# KiCad board noraneko52r.kicad_pcb (continued)
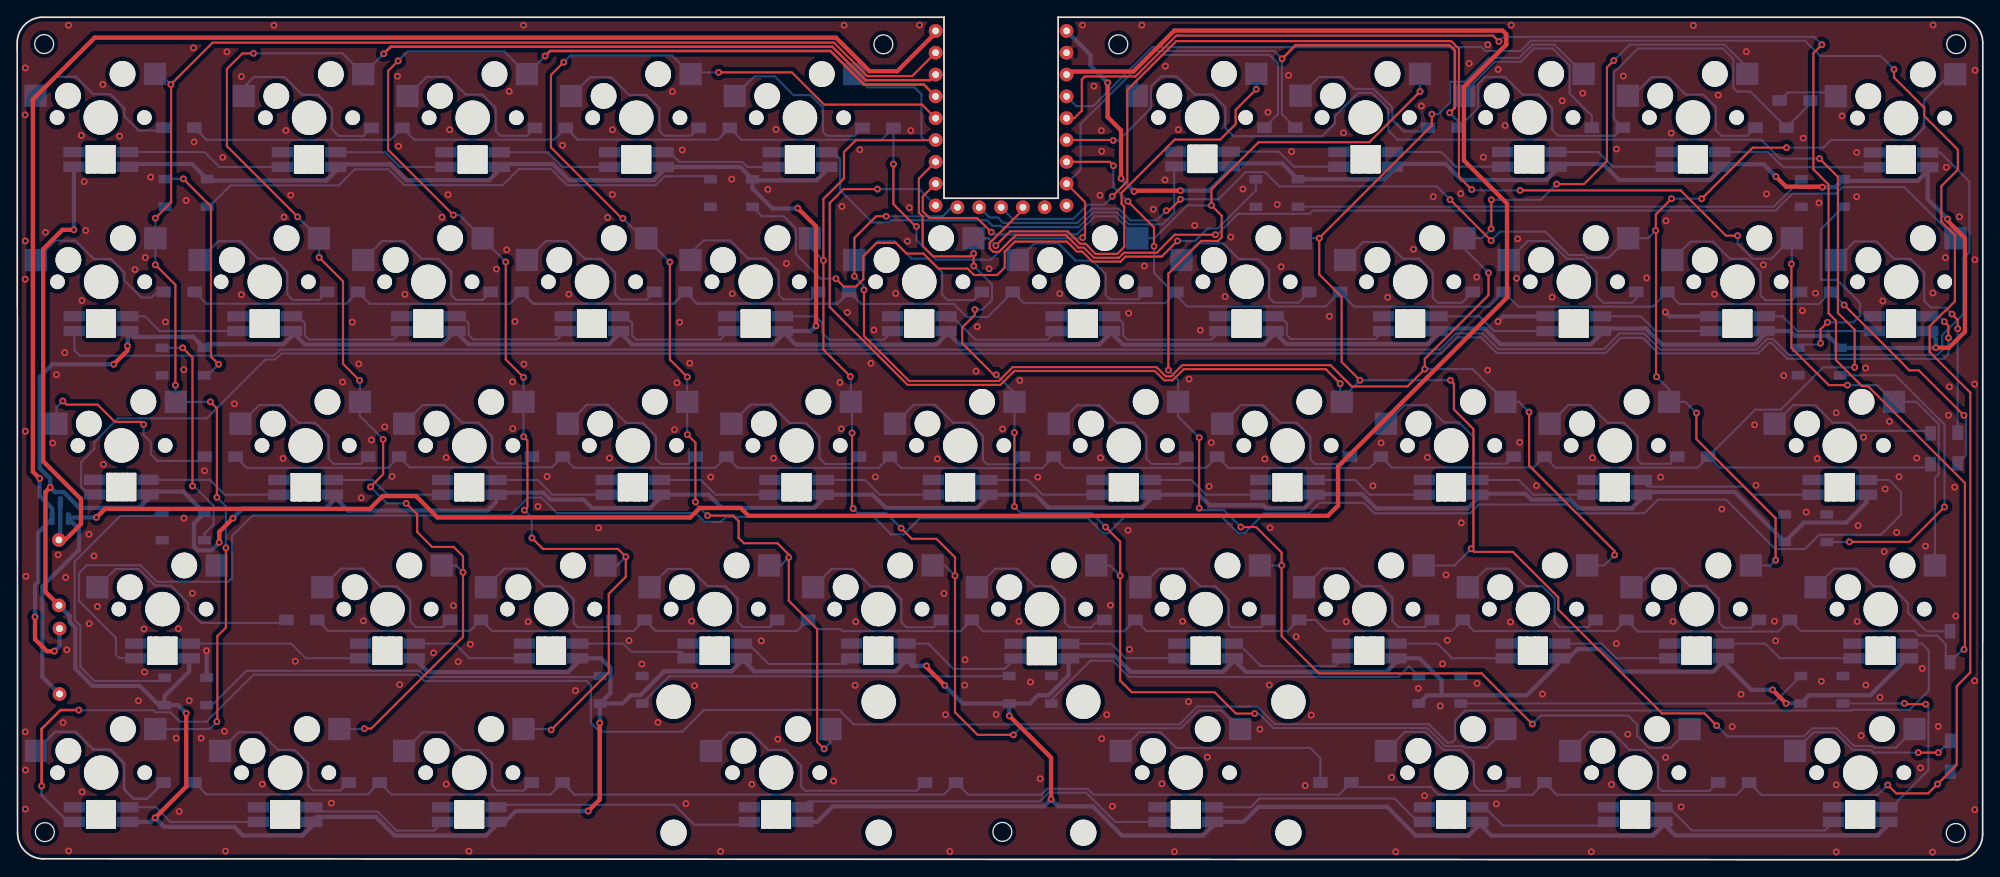
[diagram p0: board, top side]
## Routing (per net, layer and track width the routed paths; a pad name or vN(x,y) marks a point on that pad's centre or on a via; arc(x,y) is an arc through that point) (continued)
Net-(D46-Pad2): length 20.6
  Bottom w0.25: SW46.2 25.79,14.85 28.29,14.85 30.34,12.8 32.3,12.8 33.88,11.22 33.88,8.64 34.45,8.07 37.65,8.07 D46.2
Net-(D47-Pad2): length 20.5
  Bottom w0.25: SW47.2 47.23,14.86 49.67,14.86 51.75,12.78 53.74,12.78 55.3,11.22 55.3,8.61 55.86,8.05 58.94,8.05 D47.2
Net-(D48-Pad2): length 30.4
  Bottom w0.25: SW48.2 82.91,14.82 85.41,14.82 87.43,12.8 89.43,12.8 91.27,10.96 91.27,8.53 91.76,8.04 104.72,8.04 D48.2
Net-(D49-Pad2): length 28.2
  Bottom w0.25: D49.2 151.71,11.83 150.52,13.02 134.95,13.02 133.11,14.86 130.65,14.86 SW49.2
Net-(D50-Pad2): length 20.6
  Bottom w0.25: SW50.2 161.56,14.89 163.97,14.89 166.09,12.77 168.17,12.77 169.59,11.36 169.59,8.73 170.3,8.02 173.21,8.02 D50.2
Net-(D51-Pad2): length 23.1
  Bottom w0.25: SW51.2 182.99,14.89 185.62,14.89 187.71,12.8 189.48,12.8 191.02,11.26 191.02,8.45 191.45,8.02 197.03,8.02 D51.2
Net-(D52-Pad2): length 20.5
  Top w0.25: v1(221.32,12.48) v1(223.65,12.48)
  Bottom w0.25: v1(223.65,12.48) D52.2 ; v1(221.32,12.48) 221.31,12.48 216.11,12.48 215.79,12.8 213.66,12.8 211.61,14.85 209.15,14.85 SW52.2
Net-(LED1-Pad2): length 18.8
  Bottom w0.25: LED1.2 21.8,82.41 23.54,80.67 LED2.4
Net-(LED2-Pad2): length 13.5
  Bottom w0.25: LED3.4 44.57,80.67 42.86,82.38 LED2.2
Net-(LED3-Pad2): length 13.5
  Bottom w0.25: LED3.2 61.81,82.38 63.52,80.67 LED4.4
Net-(LED4-Pad2): length 13.6
  Bottom w0.25: LED5.4 88.02,80.66 84.99,80.66 84.41,81.24 77.1,81.24 75.97,82.38 LED4.2
Net-(LED5-Pad2): length 53.7
  Bottom w0.25: LED5.2 95.02,82.38 95.8,81.59 95.8,77.95 99.55,74.2 101.47,74.2 101.73,74.46 112.87,74.46 113.53,73.81 114.51,73.81 114.65,73.66 123.57,73.66 125.28,75.37 128.02,75.37 129.4,74 133.33,74 134.69,75.36 134.69,80.55 LED6.4
Net-(LED6-Pad2): length 13.5
  Bottom w0.25: LED6.2 146.88,82.45 148.63,80.7 LED7.4
Net-(LED7-Pad2): length 13.5
  Bottom w0.25: LED8.4 167.48,80.7 165.76,82.41 LED7.2
Net-(LED8-Pad2): length 13.5
  Bottom w0.25: LED9.4 185.76,80.7 184.05,82.41 LED8.2
Net-(LED10-Pad2): length 252
  Bottom w0.25: LED11.4 6.66,59.34 7.3,58.69 29.86,58.69 30.57,59.4 165.61,59.4 167.5,61.29 170.58,61.29 172.42,59.45 184.7,59.45 186.55,61.29 189.37,61.29 191.25,59.41 202.49,59.41 203.72,60.64 204.39,60.64 206.25,58.78 223.55,58.78 224.1,59.33 224.1,61.08 226.56,63.55 226.56,70.05 227.26,70.75 227.26,78.97 223.88,82.35 LED10.2
Net-(LED10-Pad4): length 18.7
  Bottom w0.25: LED10.4 205.59,80.64 203.81,82.41 LED9.2
Net-(LED11-Pad2): length 13.5
  Bottom w0.25: LED11.2 14.87,63.28 16.58,61.56 LED12.4
Net-(LED12-Pad2): length 15.2
  Bottom w0.25: LED12.2 32.71,63.28 33.5,62.49 33.5,61.04 33.96,60.57 43.77,60.57 LED13.4
Net-(LED13-Pad2): length 15.1
  Bottom w0.25: LED13.2 51.76,63.28 52.55,62.49 52.55,61.14 53.09,60.59 62.83,60.59 LED14.4
Net-(LED14-Pad2): length 15.2
  Bottom w0.25: LED15.4 81.86,60.57 72.03,60.57 71.6,61.01 71.6,62.49 70.81,63.28 LED14.2
Net-(LED15-Pad2): length 15
  Bottom w0.25: LED16.4 100.89,60.55 94.54,60.55 93.72,61.37 93.72,62.46 92.91,63.28 LED15.2
Net-(LED16-Pad2): length 14.4
  Bottom w0.25: LED16.2 108.65,62.75 109.37,62.75 111.55,60.56 119.95,60.56 LED17.4
Net-(LED17-Pad2): length 15.2
  Bottom w0.25: LED18.4 139,60.55 129.25,60.55 128.75,61.06 128.75,62.49 127.96,63.28 LED17.2
Net-(LED18-Pad2): length 15.1
  Bottom w0.25: LED18.2 147.01,63.28 147.8,62.49 147.8,61.1 148.26,60.63 158.12,60.63 LED19.4
Net-(LED19-Pad2): length 13.5
  Bottom w0.25: LED19.2 170.22,63.28 171.93,61.56 LED20.4
Net-(LED20-Pad2): length 13.5
  Bottom w0.25: LED20.2 189.01,63.28 190.72,61.56 LED21.4
Net-(LED21-Pad2): length 13.5
  Bottom w0.25: LED22.4 207.23,61.56 205.52,63.28 LED21.2
Net-(LED22-Pad2): length 238.6
  Top w0.25: v1(224.82,60.77) 224.82,62.17 v1(224.34,62.65)
  Bottom w0.25: v1(224.34,62.65) 223.72,63.28 LED22.2 ; LED23.4 8.37,42.53 7.44,43.46 7.44,46.3 8.98,47.83 8.98,48.62 11.76,51.4 14.41,51.4 22.05,51.4 28.89,58.24 30.05,58.24 30.75,58.95 165.79,58.95 167.68,60.84 170.39,60.84 172.23,59 184.89,59 186.67,60.77 189.25,60.77 191.07,58.96 202.67,58.96 203.9,60.19 204.21,60.19 206.07,58.33 224.27,58.33 224.82,58.88 v1(224.82,60.77)
Net-(LED23-Pad2): length 16
  Bottom w0.25: LED24.4 24.15,42.51 22.42,44.25 LED23.2
Net-(LED24-Pad2): length 13.6
  Bottom w0.25: LED24.2 41.39,44.23 43.11,42.5 43.12,42.51 LED25.4
Net-(LED25-Pad2): length 13.5
  Bottom w0.25: LED26.4 62.3,42.51 60.59,44.23 LED25.2
Net-(LED26-Pad2): length 13.5
  Bottom w0.25: LED26.2 79.59,44.23 81.3,42.51 LED27.4
Net-(LED27-Pad2): length 13.5
  Bottom w0.25: LED28.4 100.4,42.51 98.69,44.23 LED27.2
Net-(LED28-Pad2): length 13.5
  Bottom w0.25: LED28.2 117.64,44.23 119.35,42.51 LED29.4
Net-(LED29-Pad2): length 13.5
  Bottom w0.25: LED29.2 136.69,44.23 138.4,42.51 LED30.4
Net-(LED30-Pad2): length 13.5
  Bottom w0.25: LED31.4 157.45,42.51 155.74,44.23 LED30.2
Net-(LED31-Pad2): length 13.5
  Bottom w0.25: LED32.4 176.5,42.51 174.79,44.23 LED31.2
Net-(LED32-Pad2): length 20.7
  Bottom w0.25: LED33.4 202,42.51 201.07,43.44 189.87,43.44 LED32.2
Net-(LED33-Pad2): length 253
  Bottom w0.25: 12.53,23.5 11.88,23.5 11.5,23.88 11.5,25.84 7.2,30.15 7.2,33.38 8.12,34.3 14.33,34.3 16.26,32.37 24.58,32.37 25.02,32.82 25.02,37.7 27.4,40.08 57.38,40.08 59.47,42.17 61.02,42.17 62.84,40.35 78.99,40.35 80,39.35 81.89,39.35 82.47,39.93 99.7,39.93 101.74,37.89 103.2,37.89 105.1,39.78 124.64,39.78 126.4,38.02 127,38.02 129.17,40.18 139.98,40.18 142.15,38.02 142.85,38.02 145.18,40.34 150.38,40.34 151.6,41.56 156.77,41.56 157.99,40.34 169.12,40.34 170.14,41.36 180.48,41.36 181.5,40.34 189.41,40.34 191.01,41.94 198.92,41.94 204.68,36.18 208.11,36.18 209.78,37.84 216.96,37.84 219.31,40.19 219.31,42.83 217.92,44.23 LED33.2
Net-(LED34-Pad2): length 20.7
  Bottom w0.25: LED35.4 33.63,23.46 33.61,23.45 31.89,25.18 LED34.2
Net-(LED35-Pad2): length 13.5
  Bottom w0.25: LED36.4 52.65,23.46 50.94,25.18 LED35.2
Net-(LED36-Pad2): length 13.5
  Bottom w0.25: LED36.2 70.54,25.18 71.5,24.21 77.35,24.21 LED37.4
Net-(LED37-Pad2): length 14.1
  Bottom w0.25: LED37.2 85.1,25.18 87.46,22.81 96.49,22.81 LED38.4
Net-(LED38-Pad2): length 14.6
  Bottom w0.25: LED38.2 106.06,25.18 109.01,22.22 114.4,22.22 114.41,22.23 114.97,22.23 LED39.4
Net-(LED39-Pad2): length 13.6
  Bottom w0.25: LED40.4 129.05,23.46 127.36,25.16 LED39.2
Net-(LED40-Pad2): length 14.3
  Bottom w0.25: LED41.4 153.4,22.56 144.77,22.56 142.16,25.17 141.46,25.17 LED40.2
Net-(LED41-Pad2): length 13.5
  Bottom w0.25: LED42.4 167.05,23.46 165.34,25.18 LED41.2
Net-(LED42-Pad2): length 13.5
  Bottom w0.25: LED43.4 186.15,23.46 184.44,25.18 LED42.2
Net-(LED43-Pad2): length 15.9
  Bottom w0.25: LED43.2 203.49,25.18 205.2,23.46 LED44.4
Net-(LED44-Pad2): length 257.2
  Top w0.3: v1(2.85,8.6) 2.85,15.24 5.04,17.43 v1(7.18,17.43)
  Bottom w0.25: LED44.2 221.73,25.18 222.54,24.37 222.54,19.69 220.31,17.46 213.62,17.46 213.53,17.38 168.54,17.38 167.39,16.22 167.39,14 167.06,13.67 166.46,13.67 164.34,15.79 146.42,15.79 144.37,17.84 137.38,17.84 135.3,15.76 97.37,15.76 95.68,17.45 79.96,17.45 77.42,14.91 67.81,14.91 66.78,15.94 66.78,20.34 66.29,20.83 47.39,20.83 46.67,21.55 27.51,21.55 22.03,16.07 18.95,16.07 17.84,17.18 16.08,17.18 15.85,17.41 7.2,17.41 v1(7.18,17.43)
  Bottom w0.3: v1(2.85,8.6) 2.85,7.48 5.92,4.41 LED45.4
Net-(LED45-Pad2): length 15.9
  Bottom w0.25: LED45.2 16.14,6.13 17.85,4.41 LED46.4
Net-(LED46-Pad2): length 16.8
  Bottom w0.25: LED46.2 34.79,5.63 41.93,5.63 44.17,3.4 48.51,3.4 LED47.4
Net-(LED47-Pad2): length 30.7
  Bottom w0.25: LED47.2 56.01,6.4 76.5,6.4 78.81,4.09 84.92,4.09 LED48.4
Net-(LED48-Pad2): length 43.6
  Bottom w0.25: LED49.4 127.84,4.41 124.44,7.81 120.08,7.81 119.07,6.8 92.12,6.8 LED48.2
Net-(LED49-Pad2): length 26.2
  Bottom w0.25: LED49.2 143.6,6.13 144.61,7.13 160.35,7.13 163.07,4.41 LED50.4
Net-(LED50-Pad2): length 16.3
  Bottom w0.25: LED50.2 170.82,6.13 172.95,3.99 184.83,3.99 LED51.4
Net-(LED51-Pad2): length 21.5
  Bottom w0.25: LED52.4 210.45,3.42 194.96,3.42 192.25,6.13 LED51.2
Net-(LED52-Pad2): length 24.1
  Top w0.25: v1(222.18,18.12) 219.79,18.12 v1(219.69,18.22)
  Bottom w0.25: v1(222.18,18.12) 222.5,17.8 222.5,10.44 218.18,6.13 LED52.2 ; v1(219.69,18.22) 219.68,18.2 LED53.4
Net-(LED53-Pad2): length 40.9
  Bottom w0.25: LED53.2 204.44,18.2 LED54.4
Net-(LED54-Pad2): length 46.9
  Bottom w0.25: LED55.4 120.38,18.63 124.94,23.19 127.52,23.19 129.41,21.3 160.79,21.3 162.03,22.54 LED54.2
Net-(LED55-Pad2): length 44.1
  Bottom w0.25: LED55.2 115.44,21.36 75.92,21.36 LED56.4
Net-(LED56-Pad2): length 47.8
  Bottom w0.25: LED56.2 67.74,21.28 47.57,21.28 46.85,22 26.68,22 22.68,18 LED57.4
Net-(LED57-Pad2): length 35.7
  Bottom w0.25: LED58.4 16.26,40.4 15.89,40.03 11.99,40.03 6.69,34.73 6.69,27.92 7.35,27.26 7.35,22.46 8.99,20.83 16.78,20.83 LED57.2
Net-(LED58-Pad2): length 26.8
  Top w0.25: v1(19.27,59.6) 20.4,58.47 v1(20.4,43.52)
  Bottom w0.25: v1(19.27,59.6) LED59.4 ; v1(20.4,43.52) 20.57,43.52 22.86,41.23 22.86,39.03 21.78,37.95 LED58.2
Net-(LED59-Pad2): length 27.7
  Top w0.25: v1(23.45,57.69) 22.56,58.58 22.56,76.05 v1(19.34,79.28)
  Bottom w0.25: v1(23.45,57.69) 22.17,56.4 LED59.2 ; v1(19.34,79.28) 17.24,79.28 LED60.4
Net-(LED60-Pad2): length 63.3
  Bottom w0.25: LED61.4 80.36,79.58 75.37,79.58 74.33,78.54 64.02,78.54 62.14,80.42 58.38,80.42 56.51,78.55 45.06,78.55 43.21,80.4 39.31,80.4 37.43,78.52 24.81,78.52 22.35,76.05 LED60.2
Net-(LED61-Pad2): length 77.8
  Top w0.25: v1(95.31,67.66) 96.23,66.74 97.65,66.74 98.5,67.59 98.5,70.28 100.04,71.82 102.3,71.82 103.54,70.59 105.5,70.59 107.24,68.84 110.63,68.84 111.38,68.09 114.09,68.09 114.96,68.96 114.96,70.8 116.13,71.97 122.21,71.97 123.36,70.82 123.99,70.82 125.16,69.65 128.44,69.65 129.03,70.23 133.25,70.23 v1(135.07,72.05)
  Bottom w0.25: LED61.2 86.72,74.92 89.24,74.92 90.66,73.5 90.66,70.51 93.51,67.66 v1(95.31,67.66) ; LED62.4 144.2,77.95 139.76,73.5 138.57,73.5 137.12,72.05 135.07,72.05 v1(135.07,72.05)
Net-(LED62-Pad2): length 59.9
  Bottom w0.25: LED62.2 204.49,76.03 LED63.4
Net-(LED63-Pad2): length 26.5
  Top w0.25: v1(209.94,60.14) 209.94,61.78 v1(210.74,62.57)
  Bottom w0.25: v1(209.94,60.14) 209.78,59.98 207.71,59.98 LED64.4 ; v1(210.74,62.57) 213.76,62.57 214.51,63.33 214.51,64.87 211.86,67.52 209.96,67.52 209.96,73.4 LED63.2
Net-(LED64-Pad2): length 39.5
  Top w0.25: v1(213.29,37.02) 220.3,37.02 v1(224.37,41.08)
  Bottom w0.25: v1(224.37,41.08) 224.37,50.68 218.64,56.4 LED64.2 ; LED65.4 213.28,37 v1(213.29,37.02)

## Copper pours and planes (outline as drawn; the poured copper is in the pictures)
GND on Top: 229.81,-0.6 -0.19,-0.6 -0.19,98.4 229.81,98.4
GND on Bottom: 229.81,-0.6 -0.19,-0.6 -0.19,98.4 229.81,98.4

## Text on the board
B.Silkscreen: Wired by Blackout | Designed by Daraku-Neko 2022 | Noraneko52R v1.0
